# Altium PCB SPEC-A7.PcbDoc (part 9 of 10) (continued)
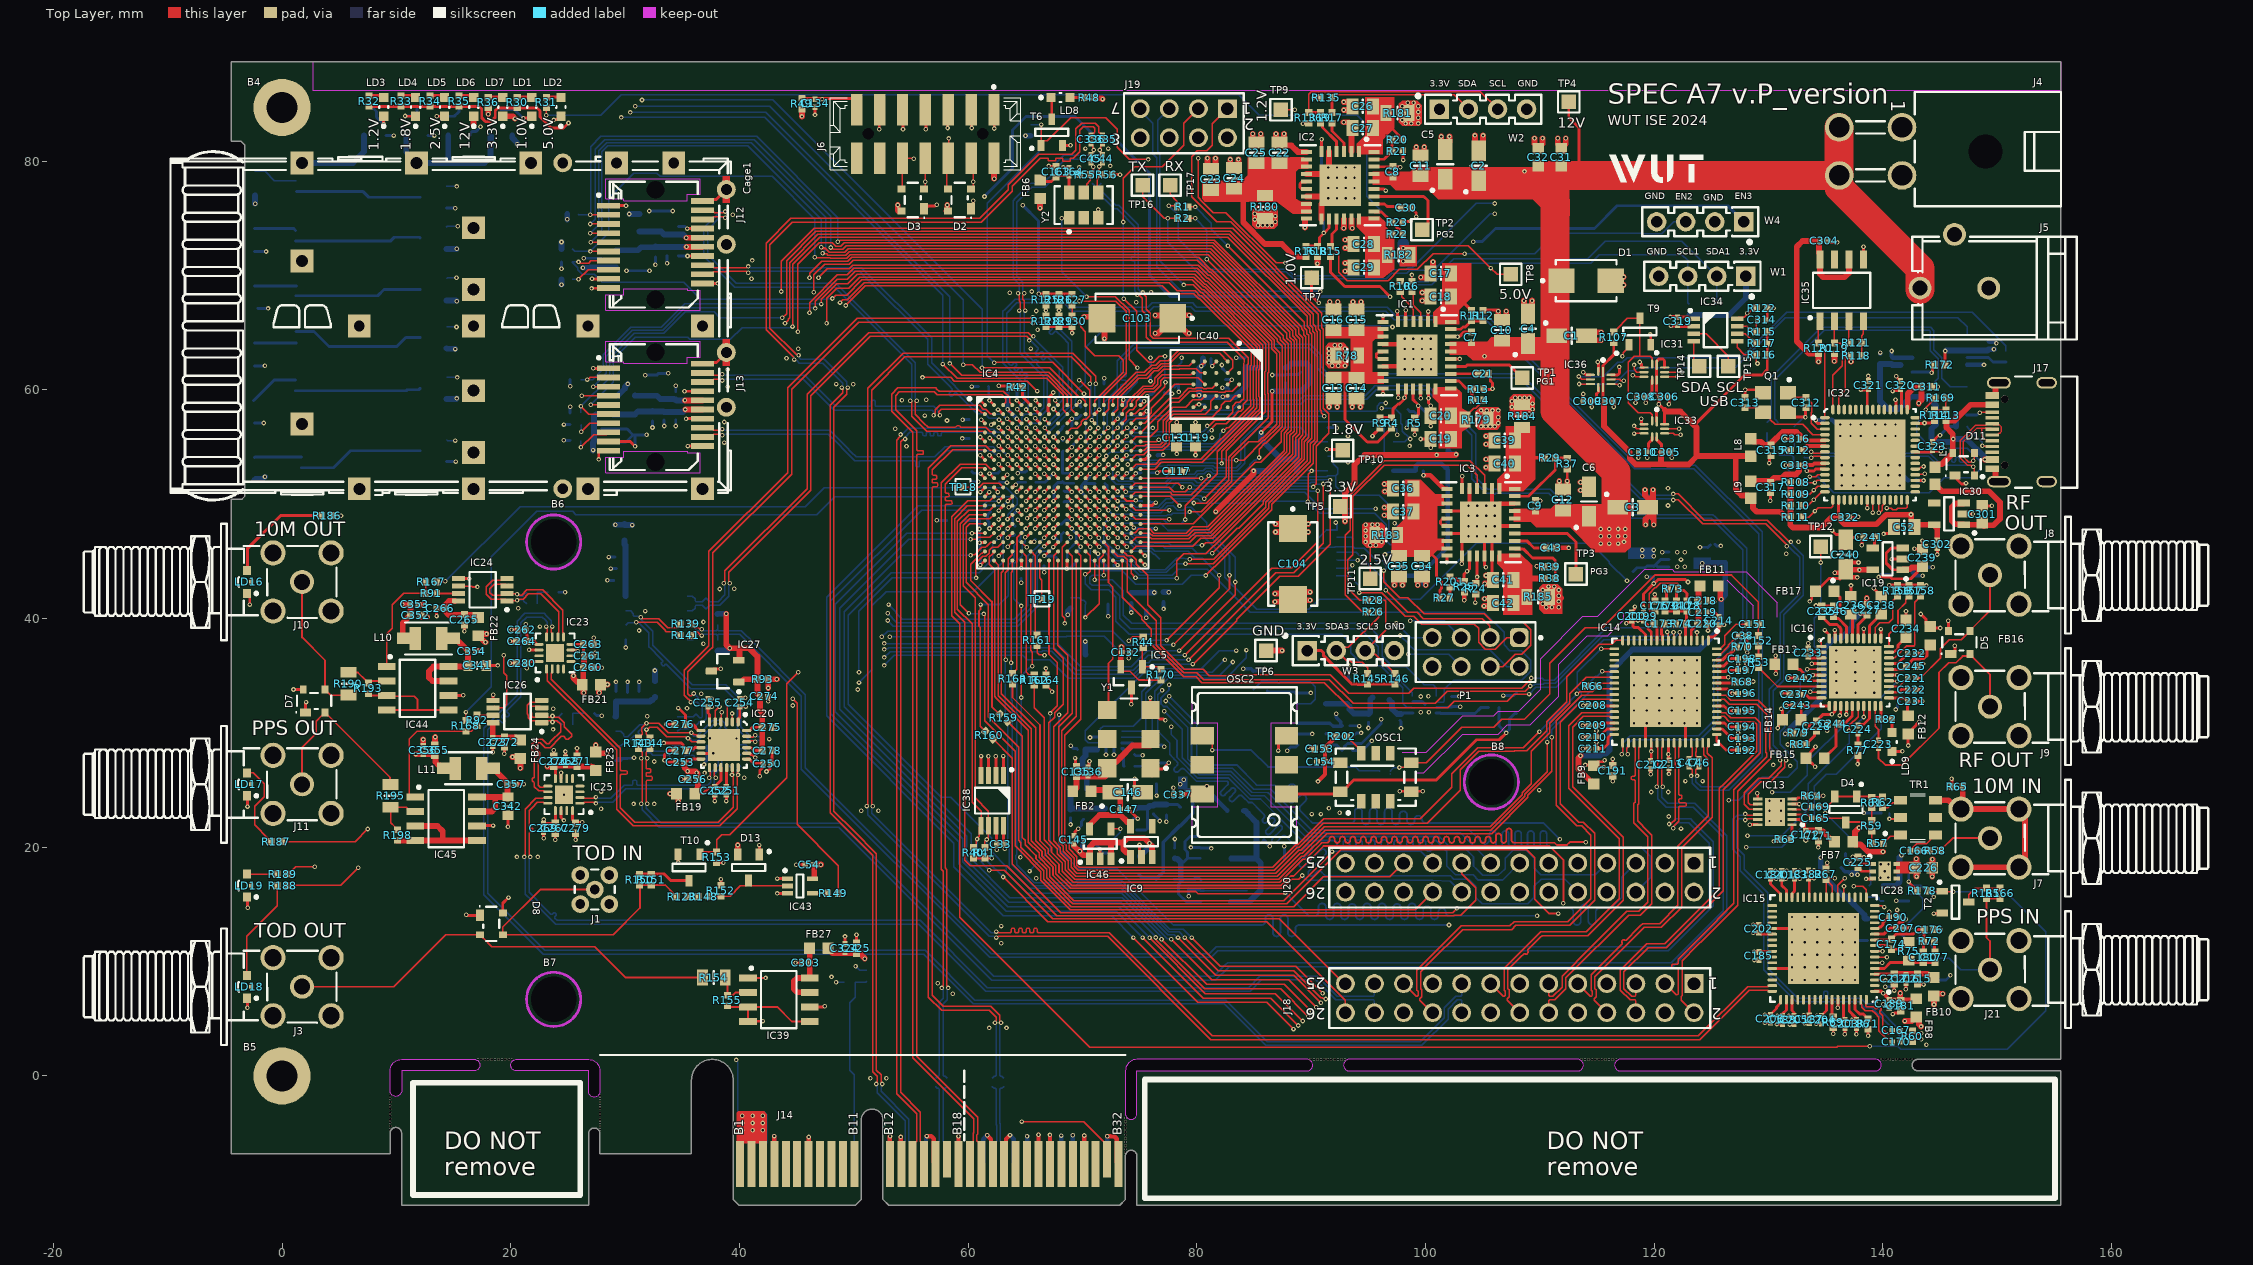
[diagram p0: Top Layer view]
## Nets (pads, with @x,y where several pads share a name; then routed paths per layer and width w, separated by ;. In a path a pad name is that pad's centre, name@x,y a point inside that pad or via, vN(x,y) a via of type N, cw(c..) or ccw(c..) an arc to the next point about the centre after c; other vN are vias at no path point) (continued)
  Bottom Layer w0.127: v1(27.003,72.907) 27.951,73.855 27.951,80.82 28.478,81.348 40.712,81.348 47.142,74.918 v1(47.142,72.461)
SFP0_MODE2: IC4.T17 J12.4 | length 107.3
  Top Layer w0.127: v1(26.956,73.707) J12.4@28.55,73.707 ; v1(47.269,71.95) 47.321,71.898 47.618,71.898 47.723,71.793 49.302,71.793 49.597,72.088 50.055,72.088 81.112,72.088 88.133,65.067 88.133,64.613 88.498,64.248 88.498,56.375 88.133,56.01 88.133,54.485 81.162,47.514 79.837,47.514 79.297,46.974 76.035,46.974 75.899,47.11 74.698,47.11 IC4.T17@74.264,46.676
  Bottom Layer w0.127: v1(26.956,73.707) 27.697,74.448 27.697,80.926 28.373,81.602 41.046,81.602 47.532,75.116 47.532,72.239 47.269,71.975 v1(47.269,71.95)
SFP0_O_N: IC4.C3 J12.12 | length 34.2
  Top Layer w0.127: J12.12@36.75,70.107 37.5,70.107 37.735,70.342 38.792,70.342 38.806,70.355 40.583,70.355 40.694,70.244 v1(40.768,70.244) ; v1(62.692,57.386) 62.723,57.386 63.033,57.076 IC4.C3@63.064,57.076
  Bottom Layer w0.127: v1(40.768,70.244) 40.842,70.244 40.954,70.355 45.732,70.355 45.742,70.366 50.517,70.366 51.016,69.867 56.471,64.412 56.471,62.221 58.346,60.346 58.391,60.301 58.622,60.07 58.622,59.964 58.348,59.691 58.348,59.598 58.487,59.46 58.58,59.46 58.853,59.733 58.958,59.733 59.426,59.266 59.471,59.221 60.798,57.893 61.487,57.893 61.853,57.528 62.481,57.528 62.623,57.386 v1(62.692,57.386)
SFP0_O_P: IC4.C4 J12.13 | length 34.2
  Top Layer w0.127: J12.13@36.75,70.907 37.5,70.907 37.735,70.672 38.655,70.672 38.669,70.686 40.583,70.686 40.694,70.798 v1(40.768,70.798) ; v1(63.41,57.476) 63.437,57.476 63.837,57.076 IC4.C4@63.864,57.076
  Bottom Layer w0.127: v1(40.768,70.798) 40.842,70.798 40.954,70.686 45.595,70.686 45.605,70.696 50.654,70.696 56.801,64.549 56.801,62.358 60.935,58.223 61.624,58.223 61.989,57.858 62.961,57.858 63.344,57.476 v1(63.41,57.476)
SFP0_RS: IC4.N16 J12.7 R98.2 | length 91.9
  Top Layer w0.127: v1(25.919,71.188) 25.993,71.188 26.087,71.094 26.798,71.094 27.011,71.307 J12.7@28.55,71.307 ; v1(48.127,67.988) 48.425,68.285 49.369,68.285 50.691,69.608 79.613,69.608 80.479,68.743 80.585,68.743 85.512,63.816 85.512,61.858 85.431,61.777 85.431,59.393 85.476,59.348 85.476,58.313 85.079,57.915 85.079,57.908 84.269,57.099 84.262,57.099 81.768,54.605 81.768,52.675 80.372,51.279 80.364,51.279 78.967,49.882 78.967,48.671 v1(78.972,48.666)
  Top Layer w0.254: IC4.N16@73.464,49.076 73.49,49.076 73.829,48.736 v1(73.858,48.736)
  Bottom Layer w0.127: v1(25.919,71.188) R98.2@25.373,71.188 25.373,71.168 25.863,70.677 25.863,70.496 26.235,70.125 27.278,70.125 27.992,69.41 35.126,69.41 36.614,67.923 39.45,67.923 47.673,67.923 47.737,67.986 48.125,67.986 v1(48.127,67.988) ; v1(73.858,48.736) 77.004,48.736 77.201,48.539 77.201,48.532 77.43,48.304 77.754,48.304 77.76,48.31 78.616,48.31 v1(78.972,48.666)
SFP1_DISABLE: IC4.M15 J13.3 | length 93.8
  Top Layer w0.127: v1(27.206,60.283) J13.3@28.55,60.283 ; v1(46.634,67.124) 46.634,67.765 48.533,69.664 49.438,69.664 50.144,70.37 79.929,70.37 80.794,69.505 80.9,69.505 86.274,64.131 86.274,61.543 86.193,61.462 86.193,59.709 86.238,59.664 86.238,57.559 82.803,54.124 82.803,52.101 80.799,50.096 79.755,50.096 v1(79.744,50.107)
  Top Layer w0.254: IC4.M15@72.664,49.876 72.683,49.876 72.978,49.58 v1(72.997,49.58)
  Bottom Layer w0.127: v1(27.206,60.283) 28.36,61.437 28.36,62.961 30.618,65.219 33.285,65.219 35.226,67.161 46.597,67.161 v1(46.634,67.124) ; v1(72.997,49.58) 73.406,49.989 74.037,49.989 74.527,49.498 76.714,49.498 77.045,49.83 77.045,49.846 77.325,50.126 77.855,50.126 77.972,50.244 79.534,50.244 79.67,50.107 v1(79.744,50.107)
SFP1_FAULT: IC4.L14 J13.2 R100.1 | length 94.2
  Top Layer w0.127: v1(26.681,60.901) 26.755,60.901 26.937,61.083 J13.2@28.55,61.083 ; v1(47.142,67.505) 47.152,67.515 47.152,67.924 48.511,69.283 49.483,69.283 50.316,70.116 79.824,70.116 80.689,69.251 80.795,69.251 86.02,64.026 86.02,61.648 85.939,61.567 85.939,59.604 85.984,59.559 85.984,58.102 85.587,57.705 85.587,57.698 84.48,56.591 84.473,56.591 82.549,54.668 82.549,52.399 v1(80.637,50.487)
  Top Layer w0.254: IC4.L14@71.864,50.676 v1(72.264,50.276)
  Bottom Layer w0.127: R100.1@26.135,60.901 v1(26.681,60.901) 27.147,60.901 28.078,61.831 28.078,63.06 30.491,65.473 33.158,65.473 35.226,67.542 47.105,67.542 v1(47.142,67.505) ; v1(72.264,50.276) 72.681,50.693 73.419,50.693 73.433,50.679 74.097,50.679 74.17,50.752 80.35,50.752 80.615,50.487 v1(80.637,50.487)
SFP1_I_N: IC4.B1 J13.19 | length 28.1
  Top Layer w0.127: J13.19@36.75,61.483 36.936,61.297 37.732,61.297 37.761,61.268 38.312,61.268 38.418,61.374 v1(38.492,61.374) ; v1(57.526,57.788) 57.474,57.84 57.474,57.965 57.439,57.999 57.439,58.104 57.638,58.303 60.853,58.303 61.176,57.98 61.299,57.98 61.403,57.876 IC4.B1@61.464,57.876
  Bottom Layer w0.127: v1(38.492,61.374) 38.566,61.374 38.678,61.262 45.705,61.262 48.416,58.55 51.387,58.55 51.45,58.55 51.525,58.624 51.525,59.015 51.59,59.081 51.786,59.081 51.852,59.015 51.852,58.624 51.926,58.55 53.25,58.55 56.974,58.55 57.317,58.207 57.317,58.07 57.526,57.862 v1(57.526,57.788)
SFP1_I_P: IC4.B2 J13.18 | length 28.1
  Top Layer w0.127: J13.18@36.75,60.683 37.5,60.683 37.754,60.937 38.3,60.937 38.418,60.82 v1(38.492,60.82) ; v1(56.972,57.788) 56.972,57.862 57.109,57.999 57.109,58.241 57.501,58.633 60.99,58.633 61.312,58.31 61.546,58.31 61.938,57.918 62.221,57.918 IC4.B2@62.264,57.876
  Bottom Layer w0.127: v1(38.492,60.82) 38.566,60.82 38.678,60.931 45.568,60.931 48.28,58.22 56.838,58.22 56.987,58.07 56.987,57.803 v1(56.972,57.788)
SFP1_LOSE: IC4.P15 J13.8 R101.1 | length 112.5
  Top Layer w0.127: v1(26.135,54.97) 27.261,56.097 28.363,56.097 J13.8@28.55,56.283 ; v1(45.11,65.092) 45.11,70.982 46.98,72.852 47.554,72.852 47.556,72.85 48.13,72.85 48.425,72.555 48.867,72.555 49.162,72.85 81.428,72.85 88.895,65.382 88.895,64.928 89.274,64.549 89.274,56.074 88.895,55.694 88.895,54.125 81.411,46.642 80.76,46.642 80.518,46.4 v1(80.45,46.4)
  Top Layer w0.254: IC4.P15@72.664,48.276 v1(73.064,47.876)
  L3 w0.127: v1(26.135,54.97) 26.986,55.821 30.771,55.821 34.801,59.851 34.801,60.125 35.45,60.774 37.213,60.774 38.694,62.256 39.305,62.256 42.142,65.092 v1(45.11,65.092)
  Bottom Layer w0.127: v1(26.135,54.97) R101.1@26.135,55.567 ; v1(73.064,47.876) 73.481,47.458 74.042,47.458 74.853,46.647 76.28,46.647 76.319,46.608 77.53,46.608 77.738,46.4 v1(80.45,46.4)
SFP1_MODE0: IC4.T12 J13.6 R102.1 | length 120.8
  Top Layer w0.127: v1(26.135,58.577) 26.829,57.883 J13.6@28.55,57.883 ; v1(43.75,66.3) 44.12,66.67 44.12,71.3 46.674,73.855 ; 46.674,73.866 82.926,73.866 90.165,66.627 90.165,65.755 90.379,65.541 90.379,65.24 90.544,65.075 90.544,55.548 90.165,55.168 90.165,53.599 86.544,49.979 86.544,49.525 81.548,44.529 81.529,44.529 v1(80.767,43.767)
  Top Layer w0.254: IC4.T12@70.264,46.676 70.264,46.673 70.664,46.273 v1(70.664,46.27)
  Bottom Layer w0.127: R102.1@26.135,57.98 v1(26.135,58.577) 28.634,61.076 28.634,62.782 30.816,64.965 33.398,64.965 35.263,66.83 37.79,66.83 38.294,66.326 43.724,66.326 v1(43.75,66.3) ; v1(70.664,46.27) 70.664,45.245 71.728,44.181 73.478,44.181 74.65,43.009 78.739,43.009 79.497,43.767 v1(80.767,43.767)
SFP1_MODE1: IC4.N14 J13.5 | length 116.3
  Top Layer w0.127: v1(26.994,58.707) 28.526,58.707 J13.5@28.55,58.683 ; v1(44.639,65.537) 44.639,70.972 47.014,73.347 ; 47.014,73.358 82.715,73.358 89.657,66.416 89.657,65.544 89.871,65.33 89.871,65.03 90.036,64.864 90.036,55.758 89.657,55.379 89.657,53.81 86.036,50.189 86.036,49.735 81.487,45.186 v1(79.367,45.186)
  Top Layer w0.254: IC4.N14@71.864,49.076 v1(72.264,48.676)
  Bottom Layer w0.127: v1(26.994,58.707) 28.967,60.68 28.967,62.679 30.872,64.584 35.496,64.584 35.671,64.41 39.206,64.41 40.232,65.436 44.464,65.436 44.565,65.537 v1(44.639,65.537) ; v1(72.264,48.676) 71.871,48.283 71.871,47.386 71.846,47.361 71.846,46.845 73.112,45.579 73.902,45.579 75.184,44.298 75.571,44.298 75.583,44.285 77.235,44.285 78.24,45.291 78.913,45.291 78.976,45.227 79.325,45.227 v1(79.367,45.186)
SFP1_MODE2: IC4.M14 J13.4 | length 97.9
  Top Layer w0.127: v1(26.194,59.483) J13.4@28.55,59.483 ; v1(46.126,66.743) 46.126,67.616 48.554,70.045 49.431,70.045 50.01,70.624 80.034,70.624 80.9,69.759 81.006,69.759 86.528,64.236 86.528,63.605 86.974,63.159 86.974,57.006 85.795,55.827 85.718,55.827 85.374,55.483 84.521,55.483 83.057,54.019 83.057,51.995 80.39,49.328 v1(79.358,49.328)
  Top Layer w0.254: IC4.M14@71.864,49.876 v1(72.264,49.476)
  L3 w0.127: v1(26.194,59.483) 32.533,59.483 37.459,64.41 38.018,64.41 38.374,64.765 40.485,64.765 42.462,66.743 v1(46.126,66.743)
  Bottom Layer w0.127: v1(72.264,49.476) 72.613,49.127 74.18,49.127 74.317,48.99 77.335,48.99 77.43,49.085 77.761,49.085 77.886,49.209 78.213,49.209 ; 78.214,49.209 78.748,49.209 78.757,49.218 79.174,49.218 79.284,49.328 v1(79.358,49.328)
SFP1_O_N: IC4.G3 J13.12 | length 29.1
  Top Layer w0.127: J13.12@36.75,55.883 37.5,55.883 37.735,56.118 38.077,56.118 38.091,56.131 38.306,56.131 38.418,56.02 v1(38.492,56.02) ; v1(62.664,54.276) IC4.G3@63.064,53.876
  Bottom Layer w0.127: v1(38.492,56.02) 38.566,56.02 38.678,56.131 47.761,56.131 48.578,55.315 49.21,54.682 49.657,54.236 50.093,53.8 54.95,53.8 55.34,53.8 55.415,53.726 55.415,53.335 55.48,53.27 55.676,53.27 55.742,53.335 55.742,53.726 55.816,53.8 56.55,53.8 57.217,53.8 58.11,54.693 62.037,54.693 62.367,54.363 62.453,54.363 62.488,54.328 62.612,54.328 v1(62.664,54.276)
SFP1_O_P: IC4.G4 J13.13 | length 29.1
  Top Layer w0.127: J13.13@36.75,56.683 37.5,56.683 37.735,56.448 37.94,56.448 37.954,56.462 38.306,56.462 38.418,56.574 v1(38.492,56.574) ; v1(63.464,54.276) IC4.G4@63.864,53.876
  Bottom Layer w0.127: v1(38.492,56.574) 38.566,56.574 38.678,56.462 47.898,56.462 48.811,55.549 49.347,55.013 49.794,54.566 50.23,54.13 57.08,54.13 57.973,55.023 62.174,55.023 62.504,54.693 62.978,54.693 63.395,54.276 v1(63.464,54.276)
SFP1_RS: IC4.R13 J13.7 R103.2 | length 117.9
  Top Layer w0.127: v1(26.173,56.329) 26.927,57.083 J13.7@28.55,57.083 ; v1(43.98,65.826) 44.259,66.104 44.259,66.19 44.385,66.316 44.385,71.131 46.855,73.601 ; 46.855,73.612 82.821,73.612 89.911,66.521 89.911,65.65 90.125,65.436 90.125,65.135 90.29,64.97 90.29,55.653 89.911,55.274 89.911,53.705 86.29,50.084 86.29,49.63 81.443,44.783 79.025,44.783 v1(79.004,44.804)
  Top Layer w0.254: IC4.R13@71.064,47.476 71.064,47.458 71.429,47.093 v1(71.429,47.076)
  L3 w0.127: v1(26.173,56.329) 27.89,56.329 30.058,58.497 32.016,58.497 37.675,64.156 38.294,64.156 38.524,64.386 40.464,64.386 41.932,65.854 43.952,65.854 v1(43.98,65.826)
  Bottom Layer w0.127: R103.2@26.135,56.964 26.173,56.926 v1(26.173,56.329) ; v1(71.429,47.076) 71.429,47.002 71.592,46.838 71.592,46.74 73.007,45.325 73.797,45.325 75.079,44.044 75.465,44.044 75.478,44.031 77.34,44.031 78.113,44.804 v1(79.004,44.804)
SFP_0.LED: IC4.G16 T7.1 | length 102
  Top Layer w0.127: v1(46.907,69.811) 47.685,70.589 49.616,70.589 49.904,70.878 80.139,70.878 81.005,70.013 81.111,70.013 86.782,64.342 86.782,63.71 87.228,63.264 87.228,56.901 85.9,55.573 85.824,55.573 84.108,53.857 v1(83.448,53.857)
  Top Layer w0.254: IC4.G16@73.464,53.876 73.464,53.894 73.841,54.272 v1(73.841,54.291)
  L4 w0.127: v1(15.265,77.792) 26.458,77.792 29.65,74.6 37.45,74.6 37.941,74.109 42.608,74.109 v1(46.907,69.811)
  Bottom Layer w0.127: T7.1@14.376,77.792 v1(15.265,77.792) ; v1(73.841,54.291) 73.856,54.276 74.873,54.276 75.263,53.886 75.536,53.886 75.558,53.864 75.626,53.864 75.652,53.838 75.976,53.838 76.003,53.864 76.916,53.864 76.973,53.921 79.709,53.921 79.716,53.914 81.043,53.914 81.084,53.955 82.411,53.955 82.508,53.858 83.447,53.858 v1(83.448,53.857)
SFP_1.LED: IC4.G15 T8.1 | length 103.4
  Top Layer w0.127: v1(47.613,65.818) 47.613,68.026 48.489,68.902 49.549,68.902 50.509,69.862 79.719,69.862 80.584,68.997 80.69,68.997 85.766,63.921 85.766,61.753 85.685,61.672 85.685,59.499 85.73,59.454 85.73,58.207 85.333,57.81 85.333,57.803 84.375,56.845 84.368,56.845 82.159,54.636 v1(82.159,53.565)
  Top Layer w0.254: IC4.G15@72.664,53.876 72.69,53.876 72.93,54.116 72.98,54.116 v1(73.008,54.144)
  L4 w0.127: v1(15.138,55.567) 21.844,62.274 30.076,62.274 30.15,62.2 36.15,62.2 38.661,64.711 43.078,64.711 43.586,64.203 45.999,64.203 v1(47.613,65.818)
  Bottom Layer w0.127: T8.1@14.383,55.628 14.444,55.567 v1(15.138,55.567) ; v1(73.008,54.144) 73.018,54.144 73.289,53.873 74.917,53.873 75.157,53.632 75.431,53.632 75.453,53.61 75.521,53.61 75.547,53.584 76.081,53.584 76.108,53.61 77.021,53.61 77.078,53.667 79.485,53.667 79.52,53.632 81.498,53.632 81.566,53.565 v1(82.159,53.565)
Spare1V: C17.2 C18.2 IC1.1 IC1.32 R11.2 | length 1.3
  Top Layer w0.254: 103.119,67.897 103.119,67.839 103.988,66.97 R11.2@104.008,66.97
SYNC_DATA0_N: IC4.A9 IC21.2 R85.1 | length 54.7
  Top Layer w0.127: v1(39.148,43.1) 39.148,43.174 39.05,43.272 39.05,44.035 46.25,51.235 46.25,59.466 51.452,64.668 65.124,64.668 65.278,64.514 65.278,64.375 v1(65.33,64.322) ; v1@67.63,58.959 67.864,58.725 IC4.A9@67.864,58.676
  Bottom Layer w0.127: IC21.2@35.452,40.679 35.874,40.679 36.11,40.916 36.11,41.075 36.184,41.149 36.749,41.149 36.824,41.075 36.824,41.071 37.05,40.844 R85.1@37.07,40.844 37.09,40.844 37.317,41.071 37.317,41.075 37.391,41.149 38.266,41.149 39.05,41.933 v1@39.05,42.928 ; v1@65.522,64.27 65.654,64.138 65.871,63.921 65.916,63.876 66.147,63.645 66.147,63.54 65.873,63.265 65.873,63.173 66.011,63.034 66.104,63.034 66.385,63.315 66.477,63.315 66.616,63.176 66.616,63.084 66.386,62.854 66.386,62.762 66.525,62.623 66.617,62.623 66.841,62.846 66.946,62.846 67.526,62.266 67.571,62.221 67.953,61.839 67.953,59.387 67.66,59.094 v1(67.604,59.094)
SYNC_DATA0_P: IC4.B9 IC21.1 R85.2 | length 54.8
  Top Layer w0.127: v1(38.621,43.1) 38.621,43.174 38.72,43.272 38.72,44.172 45.92,51.372 45.92,59.603 51.315,64.998 65.26,64.998 65.511,64.747 65.651,64.747 v1(65.703,64.695) ; v1(67.464,58.329) 67.464,58.303 67.864,57.903 IC4.B9@67.864,57.876
  Bottom Layer w0.127: IC21.1@35.452,41.949 35.874,41.949 36.11,41.713 36.11,41.554 36.184,41.479 36.749,41.479 36.824,41.554 36.824,41.558 37.05,41.784 R85.2@37.07,41.784 37.09,41.784 37.317,41.558 37.317,41.554 37.391,41.479 38.129,41.479 38.72,42.07 v1@38.72,42.928 ; v1@65.755,64.504 68.283,61.976 68.283,59.149 v1(67.464,58.329)
SYNC_DATA1_N: IC4.C8 IC22.2 R88.1 | length 73.6
  Top Layer w0.127: v1(36.008,33.448) 35.977,33.448 35.797,33.269 35.635,33.269 35.485,33.42 35.485,35.335 37.461,37.311 37.558,37.408 37.655,37.505 37.655,45.738 44.55,52.633 44.55,60.052 50.414,65.916 65.482,65.916 65.58,65.818 v1(65.654,65.818) ; v1(66.699,57.446) 66.699,57.444 67.064,57.079 IC4.C8@67.064,57.076
  Bottom Layer w0.127: IC22.2@34.563,30.138 34.8,30.375 35.563,30.375 35.646,30.458 35.955,30.458 R88.1@36.181,30.684 36.201,30.684 36.428,30.911 36.428,30.915 36.502,30.989 36.819,30.989 37.086,31.257 37.086,32.37 36.99,32.467 36.893,32.564 36.617,32.839 v1(36.008,33.448) ; v1(65.654,65.818) 65.728,65.818 65.826,65.916 66.924,65.916 67.095,65.745 67.14,65.7 67.371,65.469 67.371,65.364 67.101,65.093 67.101,65.001 67.239,64.862 67.332,64.862 67.602,65.132 67.707,65.132 68.25,64.59 68.295,64.545 68.743,64.097 68.743,58.893 67.076,57.226 66.919,57.226 v1(66.699,57.446)
SYNC_DATA1_P: IC4.D8 IC22.1 R88.2 | length 73.6
  Top Layer w0.127: v1(35.75,32.7) 35.75,32.731 35.542,32.939 35.499,32.939 35.154,33.283 35.154,35.471 37.324,37.642 37.324,45.875 44.22,52.77 44.22,60.189 50.277,66.246 65.482,66.246 65.58,66.345 v1(65.654,66.345) ; v1(66.699,56.676) 66.699,56.658 67.064,56.293 IC4.D8@67.064,56.276
  Bottom Layer w0.127: IC22.1@34.563,31.408 34.574,31.398 35.955,31.398 R88.2@36.181,31.624 36.201,31.624 36.428,31.398 36.428,31.394 36.502,31.319 36.682,31.319 36.756,31.394 36.756,32.234 36.287,32.703 35.753,32.703 v1(35.75,32.7) ; v1(65.654,66.345) 65.728,66.345 65.826,66.246 67.061,66.246 69.073,64.234 69.073,58.756 67.213,56.896 66.919,56.896 v1(66.699,56.676)
TOD_IN: IC4.P4 R149.2 | length 49
  Top Layer w0.127: v3(44.65,33) 45.05,32.6 45.05,22.004 48.649,18.405 R149.2@48.649,15.98
  Top Layer w0.254: v1(63.464,47.876) IC4.P4@63.864,48.276
  L4 w0.127: v3(44.65,33) 46.05,34.4 v3(50.45,34.4)
  Bottom Layer w0.127: v3(50.45,34.4) 51.557,35.507 51.557,41.1 52.814,42.357 60.434,42.357 63.054,44.977 63.054,47.466 v1(63.464,47.876)
TOD_OUT: IC4.V8 IC39.1 | length 57
  Top Layer w0.152: IC39.1@40.738,8.578 42.276,8.578 v1(42.278,8.576) ; IC4.V8@67.064,45.076 67.064,36.896 67.799,36.16 67.799,32.379 67.169,31.748 v1(67.169,31.702)
  L4 w0.152: v1(42.278,8.576) 42.903,9.2 56.65,9.2 v1(65.366,17.916)
  Bottom Layer w0.152: v1(65.366,17.916) 65.366,17.951 67.178,19.764 67.178,31.693 v1(67.169,31.702)
TX: IC4.R17 R2.2 | length 41.1
  Top Layer w0.127: IC4.R17@74.264,47.476 74.306,47.518 74.59,47.518 74.912,47.841 75.886,47.841 76.245,47.482 79.086,47.482 79.626,48.022 80.951,48.022 87.625,54.695 87.625,56.22 87.99,56.585 87.99,64.037 87.544,64.483 87.544,64.754 80.881,71.417 v1(80.871,71.417) ; R2.2@79.22,75 v1(79.85,75)
  Bottom Layer w0.127: v1(79.85,75) 80.876,73.974 80.876,71.422 v1(80.871,71.417)
TXD_USB: IC36.4 R1.1 R171.2 TP17.1 | length 98.5
  Top Layer w0.127: v1(77.55,76.1) 78.18,76.1 R1.1@78.28,76 78.28,76.47 77.65,77.1 TP17.1@77.65,77.9 ; v1(113.406,61.166) 113.66,60.912 IC36.4@114.411,60.912
  L4 w0.127: v1@106.034,76.284 113.396,68.922 113.396,61.175 v1(113.406,61.166)
  Bottom Layer w0.127: v1(77.55,76.1) 78.35,75.3 78.35,73.2 80.986,70.564 87.95,70.564 88.523,69.99 96.286,69.99 96.796,70.5 98.291,70.5 98.491,70.7 98.85,70.7 104.45,76.3 v1(106.05,76.3) ; v1(113.406,61.166) 113.415,61.156 115.546,61.156 116.784,62.394 117.219,62.394 117.651,62.826 127.614,62.826 131.589,66.8 147.8,66.8 150.75,63.85 R171.2@150.75,63.37
USB_D_R_N: D11.3 IC32.7 J17.A7 J17.B7 R176.1 | length 26.1
  Top Layer w0.135: v1(133.726,54.59) 133.798,54.59 133.93,54.457 134.485,54.457 134.604,54.576 IC32.7@134.921,54.576 ; D11.3@148,54.65 148,53.993 147.886,53.88 v1(147.886,53.808) 147.814,53.808 147.682,53.676 147.492,53.676 147.033,54.134 147.033,55.483 148.182,56.632 148.65,56.632 ; 148.65,56.619 148.65,55.947 148.964,55.632 149.477,55.632 J17.B7@149.56,55.55 ; 148.65,56.632 149.478,56.632 J17.A7@149.56,56.55
  Bottom Layer w0.135: R176.1@133.12,55 133.12,54.98 133.342,54.758 133.362,54.758 133.48,54.64 133.675,54.64 v1(133.726,54.59) 133.798,54.59 133.93,54.457 144.097,54.457 144.892,53.662 145.437,53.662 145.504,53.662 ccw(c145.504,53.83) 145.672,53.83 145.672,53.952 cw(c145.839,53.952) 146.007,53.952 146.007,53.83 ccw(c146.174,53.83) 146.342,53.83 146.342,53.952 cw(c146.509,53.952) 146.677,53.952 146.677,53.83 ccw(c146.844,53.83) 146.844,53.662 147.187,53.662 147.674,53.662 147.82,53.808 v1(147.886,53.808)
USB_D_R_P: D11.2 IC32.8 J17.A6 J17.B6 R174.1 | length 26.1
  Top Layer w0.135: v1(133.726,54.063) 133.798,54.063 133.93,54.195 134.485,54.195 134.604,54.076 IC32.8@134.921,54.076 ; D11.2@148,52.35 148,53.096 147.886,53.209 v1(147.886,53.281) 147.814,53.281 147.682,53.414 147.383,53.414 146.771,54.026 146.771,55.592 148.093,56.914 148.999,56.914 149.135,57.05 J17.B6@149.56,57.05 149.642,56.968 150.153,56.968 150.329,56.791 150.329,56.319 150.215,56.205 150.14,56.205 149.985,56.05 J17.A6@149.56,56.05
  Bottom Layer w0.135: R174.1@133.12,54.1 133.152,54.068 133.721,54.068 v1(133.726,54.063) 133.798,54.063 133.93,54.195 143.988,54.195 144.783,53.4 147.695,53.4 147.814,53.281 v1(147.886,53.281)
USB_TCK: IC31.9 IC32.12 R108.1 | length 20
  Top Layer w0.127: IC31.9@120.91,61.547 121.765,61.547 121.775,61.556 122.413,61.556 v1(122.423,61.547) ; R108.1@132.851,51.909 132.866,51.895 v1(134.048,51.895) 134.229,52.076 IC32.12@134.921,52.076
  L4 w0.127: v1(122.423,61.547) 123.903,61.547 127.677,57.773 127.677,56.92 128.488,56.11 128.61,56.11 129.932,54.788 129.932,54.629 130.694,53.867 130.694,53.672 131.353,53.014 132.442,53.014 133.561,51.895 v1(134.048,51.895)
USB_TDI_DO: IC31.8 IC32.13 R109.1 | length 20
  Top Layer w0.127: IC31.8@120.91,61.147 120.919,61.156 122.032,61.156 v1(122.042,61.166) ; R109.1@132.851,50.893 133.613,50.893 v1(133.955,51.235) 134.296,51.576 IC32.13@134.921,51.576
  L4 w0.127: v1(122.042,61.166) 122.051,61.156 123.597,61.156 127.21,57.544 127.21,57.029 128.383,55.856 128.505,55.856 129.678,54.683 129.678,54.524 130.44,53.762 130.44,53.567 131.247,52.76 132.102,52.76 133.575,51.287 133.902,51.287 v1(133.955,51.235)
USB_TDO_DI: IC32.14 IC33.9 R110.1 | length 18.2
  Top Layer w0.127: IC33.9@120.91,56.594 v1(122.169,56.594) ; R110.1@132.851,49.877 133.427,49.877 v1(133.95,50.4) 134.626,51.076 IC32.14@134.921,51.076
  L4 w0.127: v1(122.169,56.594) 125.669,56.594 129.86,52.403 132.067,52.403 133.86,50.609 133.86,50.563 133.95,50.474 v1(133.95,50.4)
USB_TMS: IC32.15 IC33.8 R111.1 | length 19.7
  Top Layer w0.127: IC33.8@120.91,56.194 121.68,56.194 121.788,56.086 122.293,56.086 v1(122.297,56.082) ; R111.1@132.851,48.861 133.511,48.861 134.35,49.7 135.465,49.7 135.597,49.832 135.597,50.352 IC32.15@135.621,50.376
  L4 w0.127: v1@122.296,56.086 125.818,56.086 130.009,51.895 131.464,51.895 133.855,49.504 133.872,49.504 133.976,49.4 v1(134.05,49.4)
VBUS: C300.2 C331.2 D11.4 IC29.12 J17.A4-B9 J17.B4-A9 L7.1 R113.1 | length 30.2
  Top Layer w0.508: L7.1@144.55,53.25 144.796,53.496 145.146,53.496 146.1,54.45 146.1,54.65 146.1,56.15 145.55,56.7 145.55,57.261 145.514,57.297 R113.1@145.507,57.297 145.543,57.333 146.282,57.333 147.65,58.7 J17.B4-A9@149.56,58.7 ; v1(148.894,53.909) 149.551,53.909 J17.A4-B9@149.56,53.9
  Bottom Layer w0.508: IC29.12@141.522,62.182 140.817,62.182 C331.2@140.75,62.25 C300.2@139.75,62.25 139.75,59 140.45,58.3 141.35,58.3 142.45,59.4 143.85,59.4 144.65,58.6 144.65,57 144.25,56.6 144.25,55.742 144.547,55.444 145.894,55.444 v1(146.15,55.7) 147.297,55.7 148.894,54.103 v1(148.894,53.909)
VCCADC: C105.2 C106.2 IC4.J10 L2.1 | length 3.3
  Top Layer w0.254: IC4.J10@68.664,52.276 v1(69.064,52.676)
  Bottom Layer w0.254: L2.1@68.284,54.641 68.265,54.621 68.265,52.713 68.271,52.707 69.032,52.707 v1(69.064,52.676)
VTT: C274.2 C275.2 C276.2 C277.2 C278.2 C279.2 C280.2 IC20.7 IC20.10 IC20.21 IC20.24 IC23.16 IC25.16 IC27.1 IC27.2 R86.2 R87.2 R89.2 R90.2 R93.1 | length 72.7
  Top Layer w0.254: v1(21.402,35.656) C280.2@21.402,36.106 21.539,36.243 22.471,36.243 IC23.16@22.473,36.245 ; IC25.16@25.4,23.2 25.4,22.395 C279.2@25.666,22.129 25.705,22.169 26.215,22.169 v1(26.243,22.196) ; v1(33.387,29.122) 34.911,29.122 35.086,28.947 35.086,28.639 C277.2@35.269,28.456 35.409,28.596 35.96,28.596 36.078,28.714 IC20.10@36.629,28.714 ; v1(34.657,32.17) 35.269,31.558 C276.2@35.269,30.742 35.96,30.742 36.14,30.563 36.14,30.466 36.391,30.214 IC20.7@36.629,30.214 ; IC20.21@40.629,28.714 40.638,28.705 41.043,28.705 41.292,28.456 C278.2@41.989,28.456 ; IC20.24@40.629,30.214 40.891,30.214 41.165,30.488 C275.2@41.989,30.488
  Top Layer w0.508: v1(38.848,40.425) 38.848,37.701 v1(39.15,37.4) 40,37.4 ; IC27.1@39.95,34.45 40.15,34.45 40.4,34.7 41.56,34.7 R93.1@41.58,34.68 ; IC27.2@39.95,36.35 39.954,36.35 40,36.396 40,37.4 ; C278.2@41.989,28.456 C275.2@41.989,30.488 41.989,31.761 41.8,31.95 C274.2@41.8,33.2 41.58,33.42 R93.1@41.58,34.68 ; 40,37.4 40.85,37.4 41.58,36.67 R93.1@41.58,34.7 R93.1@41.58,34.68
  L3 w0.508: v1(33.387,29.122) 34.287,30.021 34.287,31.799 v1(34.657,32.17) 34.657,34.583 37.474,37.4 v1(39.15,37.4)
  L4 w0.508: v1(21.402,35.656) 21.938,35.656 28.472,29.122 ; v1(26.243,22.196) 26.243,26.893 28.472,29.122 ; v1(36.902,27.238) 35.272,27.238 v1(33.387,29.122) 28.472,29.122
  Bottom Layer w0.254: v1@36.93,27.21 v1(36.902,27.238) 36.902,27.277 36.943,27.318 36.943,27.362 37.159,27.578 R90.2@37.159,27.598 R89.2@37.159,28.868
  Bottom Layer w0.508: R87.2@38.086,37.161 38.122,37.197 38.947,37.197 v1(39.15,37.4) ; R86.2@38.086,40.387 38.122,40.423 38.846,40.423 v1(38.848,40.425)
VUSB_PRESENT: IC32.11 R169.2 | length 28.8
  Top Layer w0.127: v1(133.591,52.417) 134.139,52.417 134.297,52.576 IC32.11@134.921,52.576 ; v1(143.729,58.275) 143.781,58.327 143.781,58.481 144.58,59.28 R169.2@144.58,59.3
  Bottom Layer w0.127: v1(133.591,52.417) 134.283,52.417 135.7,51 144.05,51 145.369,52.319 147.769,52.319 148.45,53 148.45,53.818 147.368,54.9 145.65,54.9 145.55,55 144.15,55 142.95,56.2 142.95,57.092 143.729,57.871 v1(143.729,58.275)
pads on no net: B4.1 B5.1 B6.1 B7.1 B8.1 D6.2 IC4.B12 IC4.C9 IC4.C11 IC4.C12 IC4.C14 IC4.D9 IC4.D11 IC4.H16 IC4.J4 IC4.J5 IC4.J6 IC4.L5 IC4.M5 IC4.R7 IC4.T7 IC4.U7 IC8.4 IC9.4 IC11.4 IC12.4 IC14.2 IC14.13 IC14.14 IC14.15 IC14.18 IC14.19 IC14.20 IC15.2 IC15.13 IC15.14 IC15.15 IC15.18 IC15.19 IC15.20 IC15.25 IC15.26 IC15.28 IC15.29 IC15.33 IC15.34 IC15.35 IC15.36 IC15.39 IC15.40 IC15.42 IC15.43 IC15.45 IC15.46 IC15.52 IC15.53 IC15.55 IC15.56 IC18.4 IC23.3 IC23.4 IC23.5 IC23.6 IC23.15 IC23.17 IC25.3 IC25.4 IC25.5 IC25.6 IC25.15 IC25.17 IC28.4 IC29.2 IC29.6 IC29.7 IC29.10 IC29.14 IC29.15 IC29.16 IC30.4 IC32.17 IC32.18 IC32.19 IC32.20 IC32.25 IC32.26 IC32.27 IC32.29 IC32.30 IC32.34 IC32.35 IC32.37 IC32.38 IC32.39 IC32.40 IC32.42 IC32.46 IC32.47 IC32.48 IC32.49 IC32.51 IC32.52 IC32.53 IC32.54 IC35.7 IC37.2 IC37.3 IC37.5 IC37.6 IC37.7 IC40.A2 IC40.A5 IC40.B5 IC40.C2 IC40.C5 IC41.4 J4.5 J6.12 J6.14 J6.15 J6.16 J12.MTG1 J12.MTG2 J13.MTG1 J13.MTG2 J14.A5 J14.A6 J14.A7 J14.A8 J14.A9 J14.A10 J14.A19 J14.A25 J14.A26 J14.A29 J14.A30 J14.A32 J14.B5 J14.B6 J14.B8 J14.B9 J14.B10 J14.B11 J14.B17 J14.B23 J14.B24 J14.B27 J14.B28 J14.B30 J17. J17.A8 J17.B8 LD10.3 LD11.3 LD12.3 LD13.3 LD14.3 LD15.3 LD16.3 LD17.3 LD18.3 LD19.3 OSC1.1 OSC1.2 OSC1.3 OSC1.6 OSC1.7 OSC2.2 OSC2.5 TR1.5 Y1.5 Y2.2
copper on no net:
  other v2: 24.65,24.6

## Polygon pours and split planes (outlines as drawn)
P3V3 on L3 "NONET_L-01_P-001" (solid, remove dead copper, pour order 17): -3.05,88.2 155.05,88.2 155.05,2 154.95,2.1 142.149,2.1 142.149,3.199 145.55,6.6 145.55,13.1 139.75,18.9 129.65,18.9 127.15,16.4 127.15,5.1 129.15,3.1 142.149,3.1 142.149,2.1 -3.95,2.1 -3.95,23 108.35,23 111.75,26.4 126.75,26.4 128.75,28.4 128.75,34.1 130.399,34.1 130.399,30.368 134.967,25.8 141.1,25.8 146,30.7 146,40.35 140.893,45.457 136.361,45.457 136.361,45.211 131.95,40.8 131.95,34.1 128.75,34.1 128.519,34.331 128.519,38.431 126.35,40.6 116.45,40.6 113.2,37.35 112.75,37.8 112.75,45.1 114.35,46.7 114.35,61.1 108.25,67.2 76.45,67.2 68.35,59.1 68.35,57.1 69.337,56.113 69.337,48.013 69.95,47.4 72.15,47.4 75.25,50.5 93.15,50.5 93.55,50.1 93.55,46.1 96.65,43 112.75,43 112.75,36.9 112.75,27.2 113.55,26.4 111.75,26.4 108.35,23 -3.05,23
NetC181_2 on L3 "NetC18_2" (solid, remove dead copper, pour order 9): 129.637,18.667 127.351,16.381 127.351,5.205 129.383,3.173 141.956,3.173 145.35,6.566 145.35,12.987 139.67,18.667 129.764,18.667
P3V3LMX on L3 "NetC18_2" (solid, remove dead copper, pour order 8): 130.5,30.5 135.1,25.9 140.8,25.9 145.9,31 145.9,40.15 140.764,45.286 136.836,45.286 130.5,38.95
NetC191_2 on L3 "NetC18_2" (solid, remove dead copper, pour order 1): 126.233,40.465 128.519,38.179 128.519,28.527 126.614,26.622 113.66,26.622 112.898,27.384 112.898,36.909 116.454,40.465
P2V5 on L3 "NetC18_2" (solid, remove dead copper, pour order 2): 101.45,50.2 94.749,50.2 93.75,49.2 93.75,46.1 96.65,43.2 110.65,43.2 114.25,46.8 114.25,60.9 108.142,67.008 76.576,67.008 68.575,59.007 68.575,57.229 69.079,56.724 70.222,56.724 71.623,55.324 71.623,54.689 72.258,54.054 75.814,54.054 80.767,59.007 106.443,59.007 106.95,58.5 106.95,55.699
P1V8 on L3 "NetC18_2" (solid, remove dead copper, pour order 6): 106.351,58.626 106.743,58.233 106.743,55.993 101.374,50.625 75.038,50.625 71.99,47.577 69.972,47.577 69.337,48.212 69.337,55.959 69.591,56.213 69.591,56.34 69.972,56.34 71.623,54.689 71.623,54.435 72.004,54.054 76.068,54.054 80.64,58.626